# Altium PCB PCB2.PcbDoc (part 1 of 2) (continued)
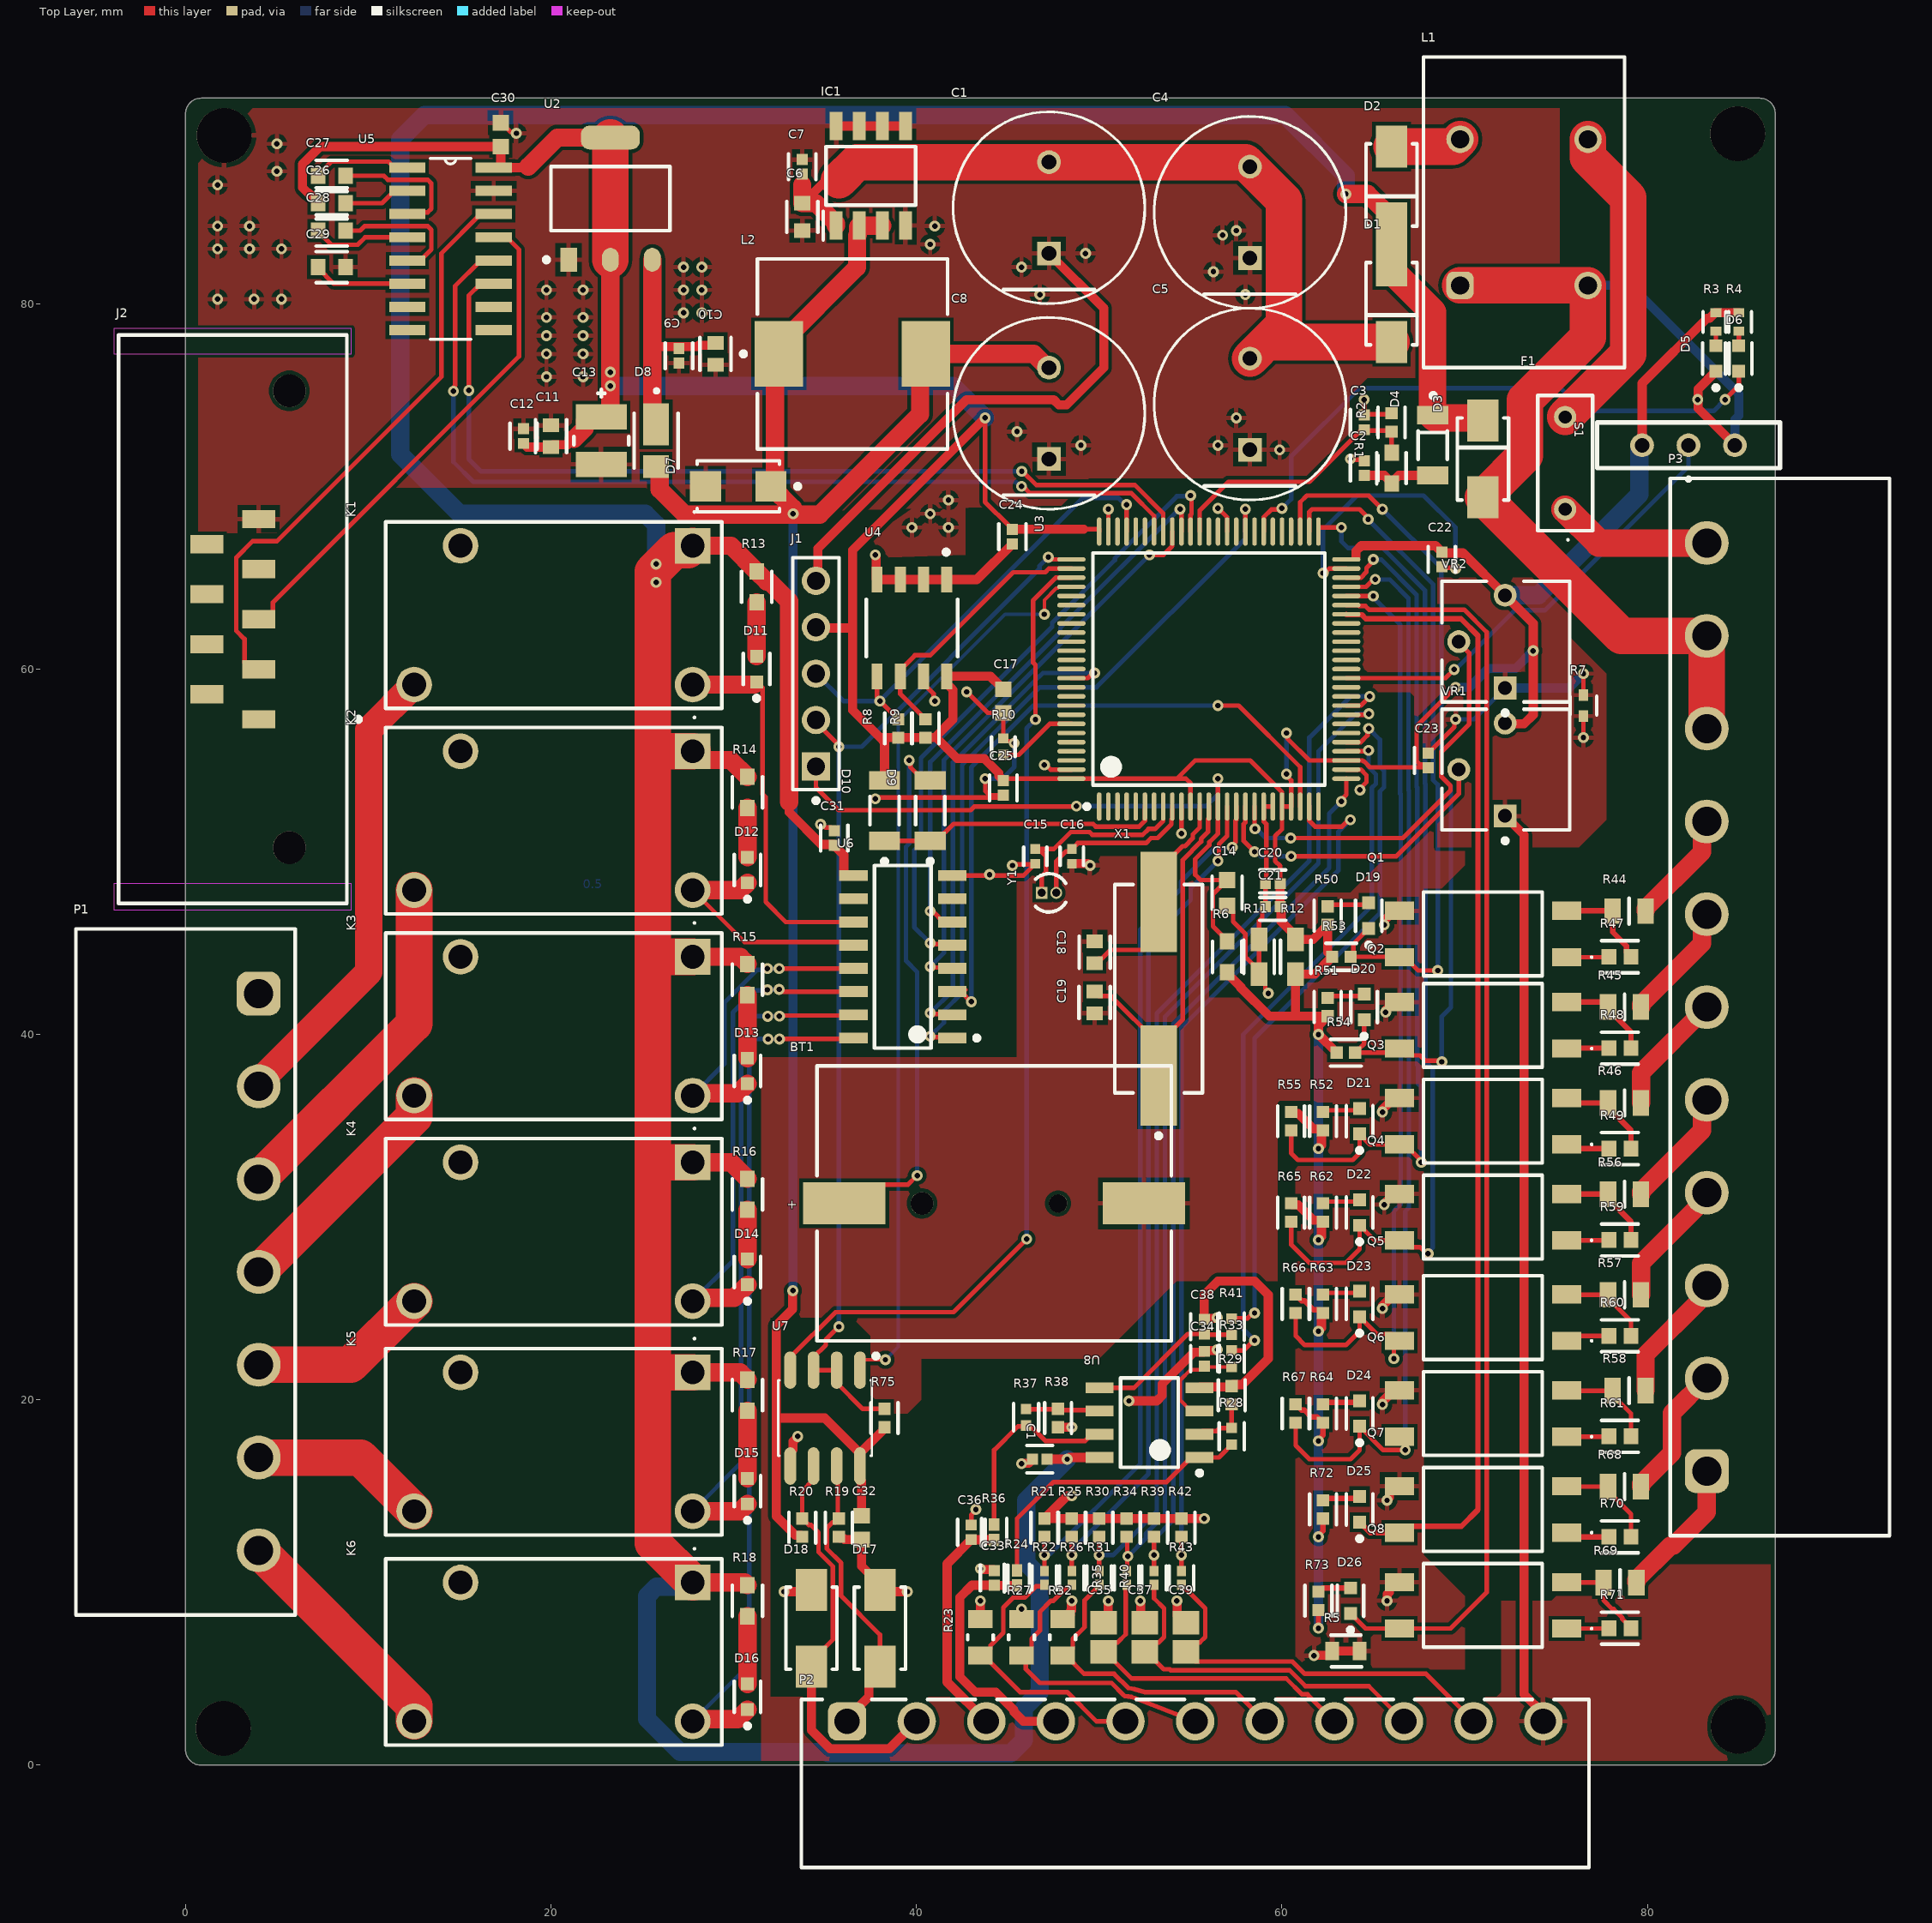
[diagram p0: Top Layer view]
## Components (designator, comment, footprint, x,y, rotation, side; value= is the part's Value field where it differs from the comment) (continued)
R64 "1k" FP-MCS0402-IPC_A 62.25,19.25 r270 top
R65 "4.7k" FP-TFCR0402-IPC_A 60.5,30.25 r270 top
R66 "4.7k" FP-TFCR0402-IPC_A 60.75,25.25 r270 top
R67 "4.7k" FP-TFCR0402-IPC_A 60.75,19.25 r270 top
R68 "4.7k 0805" FP-MCU0805-MFG 78.75,15.25 r180 top
R69 "4.7k 0805" FP-MCU0805-MFG 78.5,10 r180 top
R70 "510 0603" FP-RMCF0603-IPC_C 78.5,12.5 r180 top
R71 "510 0603" FP-RMCF0603-IPC_C 78.5,7.5 r180 top
R72 "1k" FP-MCS0402-IPC_A 62.25,14 r270 top
R73 "1k" FP-MCS0402-IPC_A 62,9 r270 top
R75 "4.7k" FP-TFCR0402-IPC_A 38.25,19 r270 top
S1 "09-03290.01" 09.03290.01 82.25,72.25 r0 top
U2 "AMS1117-3.3" FP-AMS1117-IPC_B 23.25,85.75 r90 top
U3 "STM32F103VCT6" STM-LQFP100_L 56,60 r90 top
U4 "M24C64-WMN6TP" FP-SO8N-SO-A-MFG 39.75,62.25 r270 top
U5 "SP3232EEN-L" SOIC127P600X175-16N 14.5,83 r0 top
U6 "ULN2003V12DR" FP-D0016A-MFG 39.25,44.25 r180 top
U7 "RS-485" SOIC127P600X175-8_M8_15_M 35,19 r270 top
U8 "LM358ADR2G" ONSC-SOIC-8-751-07_V 52.75,18.75 r180 top
VR1 "3362P-1-103LF" BOUR-3362P 72.25,54.5 r90 top
VR2 "3362P-1-103LF" BOUR-3362P 72.25,61.5 r90 top
X1 "ECS-80-18-5PX-TR" ECS-80-18-5PX-TR_V 53.25,42.5 r90 top
Y1 "AB26T-32.768KHZ" ABRA-AB26T 47.25,47.75 r0 top
С1 "0402 100nF 50V" FP-0402B104K500CT-IPC_C 46.75,16.75 r0 top

## Footprints (in the part's own frame and the unit in brackets; to place one, negate y for a bottom-side part, rotate by r counter-clockwise, add the part's x,y. Pads: shape width x height; smd on the part's side, far side on the other; paste and mask are expansions set on the pad)
09.03290.01 [mm]
  round 1.3 hole 0.8: 1(0,0) 2(-2.54,0) 3(2.54,0)
  silkscreen extent -5,-1.92 5,1.25, body extent -5,-1.25 5,1.25, height 7.8
691313510007 [mm] "5,08mm - PCB Headers - Horizontal - Closed ends - 07p"
  rrect50% 2.4x2.4 hole 1.6: 1(-15.24,4)
  round 2.4 hole 1.6: 2(-10.16,4) 3(-5.08,4) 4(0,4) 5(5.08,4) 6(10.16,4) 7(15.24,4)
  silkscreen extent -18.78,-6 18.78,6, body extent -18.78,-6 18.78,6, height 8.55
691313510011 [mm] "5,08mm - PCB Headers - Horizontal - Closed ends - 11p"
  rrect50% 2.4x2.4 hole 1.6: 1(-25.4,4)
  round 2.4 hole 1.6: 2(-20.32,4) 3(-15.24,4) 4(-10.16,4) 5(-5.08,4) 6(0,4) 7(5.08,4) 8(10.16,4) 9(15.24,4) 10(20.32,4) 11(25.4,4)
  silkscreen extent -28.94,-6 28.94,6, body extent -28.94,-6 28.94,6, height 8.55
691322310011 [mm] "Horizontal PCB Header, pitch 3.81mm, 11p"
  rrect50% 2.1x2.1 hole 1.4: 1(-19.05,3.4)
  round 2.1 hole 1.4: 2(-15.24,3.4) 3(-11.43,3.4) 4(-7.62,3.4) 5(-3.81,3.4) 6(0,3.4) 7(3.81,3.4) 8(7.62,3.4) 9(11.43,3.4) 10(15.24,3.4) 11(19.05,3.4)
  silkscreen extent -21.55,-4.6 21.55,4.6, body extent -21.55,-4.6 21.55,4.6, height 7.25
ABRA-AB26T [mm] "THD, 2-Leads, Dia 2.1mm, Body Length 6.2mm"
  rect 0.65x0.65 hole 0.45: 1(-0.4,0)
  round 0.65 hole 0.45: 2(0.4,0)
  silkscreen extent -0.74,-1.05 0.91,1.05, body extent -1.05,-1.05 1.05,1.06, height 6.2
APC817C1SL [mm]
  rect 1.6x1 smd: 1(-4.575,1.27) 2(-4.575,-1.27) 3(4.575,-1.27) 4(4.575,1.27)
  silkscreen extent -6,-2.29 3.25,2.29, body extent -5.07,-2.29 5.07,2.29, height 3.6
BOUR-3362P [mm] "THD, 3-Leads, Body 6.6x6.99mm, Pitch 2.54mm"
  rect 1.25x1.25 hole 0.75: 1(-2.54,0.035)
  round 1.25 hole 0.75: 2(0,2.575) 3(2.54,0.035)
  silkscreen extent -4.02,-3.49 3.3,3.5, body extent -3.3,-3.49 3.3,3.49, height 4.95
CAPC1608X90X35LL15T15 [mm] "Chip Capacitor, 2-Leads, Body 1.60x0.81mm, IPC High Density"
  rect 0.85x0.9 smd: 1(-0.65,0) 2(0.65,0)
  body extent -0.88,-0.48 0.87,0.48, height 0.9
CAPC2013X145X50NL20T25 [mm] "Chip Capacitor, 2-Leads, Body 2.00x1.25mm, IPC Medium Density"
  rect 1.3x1.45 smd: 1(-0.8,0) 2(0.8,0)
  body extent -1.1,-0.72 1.1,0.72, height 1.45
ECS-80-18-5PX-TR_V [mm] "SMD, 2-Leads, Body 11.4x4.8mm, Height 4.3mm"
  rect 5.5x2 smd: 1(-4.75,0) 2(4.75,0)
  silkscreen extent -8.17,-2.4 5.7,2.4, body extent -6.6,-2.4 6.6,2.4, height 4.3
FP-0402B104K500CT-IPC_C [mm]
  rect 0.606x0.606 smd paste+0 mask+0: 1(-0.4,0) 2(0.4,0)
  silkscreen extent -0.7,-0.75 0.7,0.75, body extent -0.8,-0.45 0.8,0.45, height 0.25
FP-425AC-MFG [mm]
  rect 2.3x1.4 smd paste+0 mask+0: 1(-0.9,0)
  rect 1.25x1.4 smd paste+0 mask+0: 2(1.425,0)
  silkscreen extent -2.82,-1.2 1.5,1.2, body extent -2.15,-1.07 2.15,1.07, height 0.25
FP-90120-0125-MFG [mm]
  rect 1.55x1.55 hole 1 paste-2539.97 mask+0: 1(-5.08,0)
  round 1.55 hole 1 paste-2539.97 mask+0: 2(-2.54,0) 3(0,0) 4(2.54,0) 5(5.08,0)
  silkscreen extent -7.07,-1.27 6.35,1.27, body extent -6.45,-1.37 6.45,1.37, height 0.25
FP-95400-MFG [mm]
  rect 1.7x1.68 smd paste+0 mask+0: 1(-1.79,0) 2(1.79,0)
  silkscreen extent -3.38,-1.4 2.25,1.4, body extent -2.74,-1.5 2.74,1.5, height 0.25
FP-09551156612741-MFG [mm]
  round 1.8 hole 1.8 unplated paste-2539.97 mask+0: 1(-12.5,3.1) 2(12.5,3.1)
  rect 1x1.8 smd paste+0 mask+0: 1(5.48,1.42) 2(2.74,1.42) 3(0,1.42) 4(-2.74,1.42) 5(-5.48,1.42) 6(4.11,-1.42) 7(1.37,-1.42) 8(-1.37,-1.42) 9(-4.11,-1.42)
  Keep-Out Layer region: 14.48,-6.5 15.9,-6.5 15.9,6.5 14.48,6.5
  Keep-Out Layer region: -15.897,-6.5 -14.52,-6.5 -14.52,6.5 -15.897,6.5
  silkscreen extent -15.56,-6.25 15.56,6.99, body extent -15.66,-6.35 15.66,6.35, height 0.25
FP-AC0603-MFG [mm]
  rect 0.9x0.8 smd paste+0 mask+0: 1(-0.85,0) 2(0.85,0)
  silkscreen extent -0.85,-0.82 0.85,0.82, body extent -1.4,-0.55 1.4,0.55, height 0.25
FP-AMS1117-IPC_B [mm]
  rect 1.304x0.912 smd paste+0 mask+0: 1(-3.345,2.29)
  rrect100% 1.304x0.912 smd paste+0 mask+0: 2(-3.345,0) 3(-3.345,-2.29)
  rrect70% 1.304x3.222 smd paste+0 mask+0: 4(3.345,0)
  silkscreen extent -3.47,-3.25 1.75,3.62, body extent -4.25,-3.5 4.25,3.5, height 0.25
FP-C0402-BB-MFG [mm]
  rect 0.52x0.52 smd paste+0 mask+0: 1(-0.4,0) 2(0.4,0)
  silkscreen extent -0.5,-0.64 0.5,0.64, body extent -0.8,-0.4 0.8,0.4, height 0.25
FP-C0603C106M8PACTU-MFG [mm]
  rect 0.75x0.9 smd paste+0 mask+0: 1(-0.6,0) 2(0.6,0)
  silkscreen extent -0.9,-0.85 0.9,0.85, body extent -1.2,-0.6 1.2,0.6, height 0.25
FP-C0603C-CF-MFG [mm]
  rect 0.75x0.9 smd paste+0 mask+0: 1(-0.6,0) 2(0.6,0)
  silkscreen extent -0.87,-0.85 0.88,0.85, body extent -1.2,-0.6 1.2,0.6, height 0.25
FP-CC0603-DB-MFG [mm]
  rect 0.8x0.9 smd paste+0 mask+0: 1(-0.75,0) 2(0.75,0)
  silkscreen extent -0.85,-0.85 0.85,0.85, body extent -1.43,-0.82 1.43,0.82, height 0.25
FP-CC0603-DC-MFG [mm]
  rect 0.9x0.9 smd paste+0 mask+0: 1(-0.7,0) 2(0.7,0)
  silkscreen extent -0.9,-0.82 0.9,0.82, body extent -1.35,-0.75 1.35,0.75, height 0.25
FP-CRGCQ0402-IPC_C [mm]
  rect 0.56x0.472 smd paste+0 mask+0: 1(-0.376,0) 2(0.376,0)
  silkscreen extent -0.66,-0.67 0.66,0.67, body extent -0.76,-0.38 0.76,0.38, height 0.25
FP-D0016A-MFG [mm]
  rect 1.55x0.6 smd paste-1000 mask+0: 1(-2.7,4.445) 2(-2.7,3.175) 3(-2.7,1.905) 4(-2.7,0.635) 5(-2.7,-0.635) 6(-2.7,-1.905) 7(-2.7,-3.175) 8(-2.7,-4.445) 9(2.7,-4.445) 10(2.7,-3.175) 11(2.7,-1.905) 12(2.7,-0.635) 13(2.7,0.635) 14(2.7,1.905) 15(2.7,3.175) 16(2.7,4.445)
  silkscreen extent -4.18,-5 1.55,5, body extent -3.57,-5.25 3.57,5.25, height 0.25
FP-DS104C2-MFG [mm]
  rect 2.65x3.6 smd paste+0 mask+0: 1(-4.025,0) 2(4.025,0)
  silkscreen extent -6.1,-5.2 5.2,5.2, body extent -5.45,-5.3 5.45,5.3, height 0.25
FP-HCJ0603-MFG [mm]
  rect 1.3x0.92 smd paste+0 mask+0: 1(-0.95,0) 2(0.95,0)
  silkscreen extent -0.9,-0.83 0.9,0.83, body extent -1.7,-0.63 1.7,0.63, height 0.25
FP-LSM0603453V-MFG [mm]
  rect 0.7x0.7 smd paste+0 mask+0: 1(-0.7,0) 2(0.7,0)
  silkscreen extent -1.72,-0.72 0.85,0.72, body extent -1.15,-0.55 1.15,0.55, height 0.25
FP-MCR01-IPC_A [mm]
  rect 0.666x0.672 smd paste+0 mask+0: 1(-0.503,0) 2(0.503,0)
  silkscreen extent -0.84,-0.74 0.84,0.74, body extent -1.04,-0.54 1.04,0.54, height 0.25
FP-MCS0402-IPC_A [mm]
  rect 0.665x0.672 smd paste+0 mask+0: 1(-0.504,0) 2(0.504,0)
  silkscreen extent -0.84,-0.74 0.84,0.74, body extent -1.04,-0.54 1.04,0.54, height 0.25
FP-MCS0402-MFG [mm]
  rect 0.55x0.55 smd paste+0 mask+0: 1(-0.45,0) 2(0.45,0)
  silkscreen extent -0.53,-0.65 0.53,0.65, body extent -0.82,-0.38 0.82,0.38, height 0.25
FP-MCU0805-MFG [mm]
  rect 0.9x1.4 smd paste+0 mask+0: 1(-0.9,0) 2(0.9,0)
  silkscreen extent 0,-0.7 0,0.7, body extent -1.45,-0.8 1.45,0.8, height 0.25
FP-PMR01-MFG [mm]
  rect 0.65x0.5 smd paste+0 mask+0: 1(-0.575,0) 2(0.575,0)
  silkscreen extent -0.5,-0.72 0.5,0.72, body extent -1,-0.38 1,0.38, height 0.25
FP-RAD-TH-D_10_0_5-L_30_2-MFG [mm]
  rect 1.3x1.3 hole 0.8 paste-2539.97 mask+0: 1(-2.5,0)
  round 1.3 hole 0.8 paste-2539.97 mask+0: 2(2.5,0)
  silkscreen extent -5.25,-5.25 5.25,5.25, body extent -5.35,-5.35 5.35,5.35, height 0.25
FP-RCS0603-e3-MFG [mm]
  rect 0.75x1 smd paste+0 mask+0: 1(-0.75,0) 2(0.75,0)
  silkscreen extent -0.82,-0.86 0.87,0.86, body extent -1.22,-0.6 1.22,0.6, height 0.25
FP-RMCF0402-IPC_B [mm]
  rect 0.681x0.572 smd paste+0 mask+0: 1(-0.416,0) 2(0.416,0)
  silkscreen extent -0.76,-0.69 0.76,0.69, body extent -0.91,-0.44 0.91,0.44, height 0.25
FP-RMCF0402-MFG [mm]
  rect 0.5x0.6 smd paste+0 mask+0: 1(-0.5,0) 2(0.5,0)
  silkscreen extent -0.55,-0.7 0.55,0.7, body extent -0.85,-0.4 0.85,0.4, height 0.25
FP-RMCF0603-IPC_C [mm]
  rect 0.806x0.858 smd paste+0 mask+0: 1(-0.601,0) 2(0.601,0)
  silkscreen extent -1,-0.87 1,0.87, body extent -1.1,-0.58 1.1,0.58, height 0.25
FP-RNCF0805-MFG [mm]
  rect 1x1.35 smd paste+0 mask+0: 1(-1,0) 2(1,0)
  silkscreen extent -0.13,-0.7 0.13,0.7, body extent -1.6,-0.8 1.6,0.8, height 0.25
FP-RT0603-MFG [mm]
  rect 0.9x0.8 smd paste+0 mask+0: 1(-0.85,0) 2(0.85,0)
  silkscreen extent -0.85,-0.81 0.86,0.8, body extent -1.4,-0.55 1.4,0.55, height 0.25
FP-S8411-45R-MFG [mm]
  rect 2.3x4.5 smd paste+0 mask+0: 1(0,8.2) 2(0,-8.2)
  round 1 hole 1 unplated paste-2539.97 mask+0: ""(0,3.5)
  round 1.25 hole 1.25 unplated paste-2539.97 mask+0: ""(0,-3.95)
  silkscreen extent -7.52,-9.7 7.52,9.7, body extent -7.63,-10.55 7.63,10.55, height 0.25
FP-SO8N-SO-A-MFG [mm]
  rect 1.4x0.6 smd paste+0 mask+0: 1(-2.65,1.905) 2(-2.65,0.635) 3(-2.65,-0.635) 4(-2.65,-1.905) 5(2.65,-1.905) 6(2.65,-0.635) 7(2.65,0.635) 8(2.65,1.905)
  silkscreen extent -4.27,-2.5 1.58,2.5, body extent -3.45,-2.6 3.45,2.6, height 0.25
FP-SOD80C-MFG [mm]
  rect 1x1.7 smd paste-1000 mask+0: 1(-1.65,0) 2(1.65,0)
  silkscreen extent -2.85,-0.8 0.77,0.8, body extent -2.27,-1.12 2.27,1.12, height 0.25
FP-TFCR0402-IPC_A [mm]
  rect 0.665x0.672 smd paste+0 mask+0: 1(-0.504,0) 2(0.504,0)
  silkscreen extent -0.84,-0.74 0.84,0.74, body extent -1.04,-0.54 1.04,0.54, height 0.25
FP-TFCR0402-IPC_B [mm]
  rect 0.565x0.572 smd paste+0 mask+0: 1(-0.454,0) 2(0.454,0)
  silkscreen extent -0.74,-0.69 0.74,0.69, body extent -0.89,-0.44 0.89,0.44, height 0.25
FP-TPSB-MFG [mm]
  rect 1.4x2.8 smd paste+0 mask+0: 1(-1.3,0) 2(1.3,0)
  silkscreen extent -0.23,-1.5 2.8,1.5, body extent -2.1,-1.6 2.1,1.6, height 0.25
HF32F024HS3 [mm]
  rect 1.95x1.95 hole 1.3: 1(0,0)
  round 1.95 hole 1.3: 2(0,7.6) 3(15.24,7.6) 4(12.7,0)
  silkscreen extent -1.6,-1.9 16.8,8.9, body extent -1.6,-1.3 16.8,8.9, height 15.9
ONSC-SOIC-8-751-07_V [mm] "SOIC, 8-Leads, Body 4.9x3.9mm, Pitch 1.27mm"
  rect 1.52x0.6 smd: 1(-2.74,1.905) 2(-2.74,0.635) 3(-2.74,-0.635) 4(-2.74,-1.905) 5(2.74,-1.905) 6(2.74,-0.635) 7(2.74,0.635) 8(2.74,1.905)
  silkscreen extent -2.87,-2.45 1.58,2.88, body extent -1.95,-2.45 1.95,2.45, height 1.75
RUEF1102 [mm]
  round 1.218 hole 0.711: 1(0,0) 2(5.05,0)
  silkscreen extent -1.72,-1.5 6.22,1.5, body extent -1.17,-1.25 6.23,1.25, height 14.3
SOIC127P600X175-8_M8_15_M [mm] "SOIC, 8-Leads, Body 4.90x3.90mm, Pitch 1.27mm, IPC Low Density"
  rrect100% 2.05x0.65 smd: 1(-2.625,1.905) 2(-2.625,0.635) 3(-2.625,-0.635) 4(-2.625,-1.905) 5(2.625,-1.905) 6(2.625,-0.635) 7(2.625,0.635) 8(2.625,1.905)
  silkscreen extent -3.52,-2.56 2.06,2.91, body extent -3,-2.45 3,2.45, height 1.75
SOIC127P600X175-8N [mm]
  rect 1.55x0.7 smd: 1(-2.725,1.905) 2(-2.725,0.635) 3(-2.725,-0.635) 4(-2.725,-1.905) 5(2.725,-1.905) 6(2.725,-0.635) 7(2.725,0.635) 8(2.725,1.905)
  silkscreen extent -3.5,-2.45 1.6,2.61, body extent -3,-2.45 3,2.45, height 1.75
SOIC127P600X175-16N [mil]
  rect 78x22 smd paste+0 mask+4.02: 1(-93,175) 2(-93,125) 3(-93,75) 4(-93,25) 5(-93,-25) 6(-93,-75) 7(-93,-125) 8(-93,-175) 9(93,-175) 10(93,-125) 11(93,-75) 12(93,-25) 13(93,25) 14(93,75) 15(93,125) 16(93,175)
  silkscreen extent -44,-195 44,195, body extent -203,-203 203,203, height 104
STM-LQFP100_L [mm] "Thin QFP, 100-Leads, Body 14x14mm, Pitch 0.5mm, IPC High Density"
  oval 1.55x0.25 smd: 1(-7.525,6) 2(-7.525,5.5) 3(-7.525,5) 4(-7.525,4.5) 5(-7.525,4) 6(-7.525,3.5) 7(-7.525,3) 8(-7.525,2.5) 9(-7.525,2) 10(-7.525,1.5) 11(-7.525,1) 12(-7.525,0.5) 13(-7.525,0) 14(-7.525,-0.5) 15(-7.525,-1) 16(-7.525,-1.5) 17(-7.525,-2) 18(-7.525,-2.5) 19(-7.525,-3) 20(-7.525,-3.5) 21(-7.525,-4) 22(-7.525,-4.5) 23(-7.525,-5) 24(-7.525,-5.5) 25(-7.525,-6) 51(7.525,-6) 52(7.525,-5.5) 53(7.525,-5) 54(7.525,-4.5) 55(7.525,-4) 56(7.525,-3.5) 57(7.525,-3) 58(7.525,-2.5) 59(7.525,-2) 60(7.525,-1.5) 61(7.525,-1) 62(7.525,-0.5) 63(7.525,0) 64(7.525,0.5) 65(7.525,1) 66(7.525,1.5) 67(7.525,2) 68(7.525,2.5) 69(7.525,3) 70(7.525,3.5) 71(7.525,4) 72(7.525,4.5) 73(7.525,5) 74(7.525,5.5) 75(7.525,6)
  oval 0.25x1.55 smd: 26(-6,-7.525) 27(-5.5,-7.525) 28(-5,-7.525) 29(-4.5,-7.525) 30(-4,-7.525) 31(-3.5,-7.525) 32(-3,-7.525) 33(-2.5,-7.525) 34(-2,-7.525) 35(-1.5,-7.525) 36(-1,-7.525) 37(-0.5,-7.525) 38(0,-7.525) 39(0.5,-7.525) 40(1,-7.525) 41(1.5,-7.525) 42(2,-7.525) 43(2.5,-7.525) 44(3,-7.525) 45(3.5,-7.525) 46(4,-7.525) 47(4.5,-7.525) 48(5,-7.525) 49(5.5,-7.525) 50(6,-7.525) 76(6,7.525) 77(5.5,7.525) 78(5,7.525) 79(4.5,7.525) 80(4,7.525) 81(3.5,7.525) 82(3,7.525) 83(2.5,7.525) 84(2,7.525) 85(1.5,7.525) 86(1,7.525) 87(0.5,7.525) 88(0,7.525) 89(-0.5,7.525) 90(-1,7.525) 91(-1.5,7.525) 92(-2,7.525) 93(-2.5,7.525) 94(-3,7.525) 95(-3.5,7.525) 96(-4,7.525) 97(-4.5,7.525) 98(-5,7.525) 99(-5.5,7.525) 100(-6,7.525)
  silkscreen extent -7.65,-6.35 6.35,6.8, body extent -7,-7 7,7, height 1.6
WE-TFC_UU9.8V [mm] "Common Mode Power Line Choke, THT, 4-leads, body 17x11.5mm"
  rrect50% 1.5x1.5 hole 1: 1(-4,3.5)
  round 1.5 hole 1: 2(4,3.5) 3(4,-3.5) 4(-4,-3.5)
  silkscreen extent -8.5,-5.5 8.5,5.5, body extent -7.85,-5.3 7.85,5.3, height 15.85
WE-TVSP_DO-214AC_Bidirectional [mm] "Power TVS Diode, 2-Leads. body 4.24x2.67mm"
  rect 2.3x1.7 smd: 1(-2.1,0) 2(2.1,0)
  silkscreen extent -2.25,-1.4 2.25,1.4, body extent -2.56,-1.33 2.56,1.34, height 2.24
WE-TVSP_DO-214AC_Unidirectional [mm] "Power TVS Diode, 2-Leads. body 4.24x2.67mm"
  rect 2.3x1.7 smd: 1(-2.1,0) 2(2.1,0)
  silkscreen extent -2.25,-1.4 2.25,1.4, body extent -2.56,-1.33 2.56,1.34, height 2.24

## Part data
BT1: library part CMP-15817-000007-1, "BATTERY HOLDER COIN 12MM SMD", Case/Package=SMD/SMT, Max Operating Temperature=105°C, Min Operating Temperature=-55°C, Package Quantity=500, Contact Plating=Bronze, Material=Polyphenylene, Mount="Surface Mount", Number of Batteries=1, Number of Cells=1, Packaging="Tape and Reel", REACH SVHC="No SVHC", Termination=SMD/SMT
C1 C4 C5 C8: library part CMP-05427-000707-1, "Aluminum Electrolytic Capacitors (Radial Lead Type) AEC-Q200 Qualified 1000uF ±20% 35V", Capacitance=1mF, Case/Package=Radial, Dielectric Material=Aluminium, Max Operating Temperature=105°C, Min Operating Temperature=-55°C, Package Quantity=100, Ripple Current=2.14A, Tolerance=20%, Voltage=35V, Construction=RADIAL, Contact Plating=Tin, Diameter=10mm, Dissipation Factor=0.12%, Height=30mm, Lead Diameter=0.6mm, Lead Pitch=5mm, Lead/Base Style=Straight, Length=30mm, Life (Hours)=4000Hour, Mount="Through Hole", Packaging=Bulk, Radiation Hardening=No, REACH SVHC="No SVHC", RoHS Compliant=Yes, Series=FK, Termination=Radial, Voltage Rating=35V, Voltage Rating (DC)=35V
C2 C3 C7 C9 C12 C20 C21 C22 C23 C24 C25 C31 C33 C34 C36 C38 С1: library part CMP-45632-000010-1, "CAP CER 0.1UF 50V X7R 0402", Capacitance=100nF, Case Code (Imperial)=0402, Case Code (Metric)=1005, Max Operating Temperature=125°C, Min Operating Temperature=-55°C, Tolerance=10%, Voltage Rating=50V, Case/Package=0402, Mount="Surface Mount", Packaging="Cut Tape", RoHS Compliant=Yes, Series=-
C6 C26 C27 C28 C29: library part CMP-03422-000761-2, "CAP CER 1UF 50V X7R 0603", Capacitance=1uF, Case Code (Imperial)=0603, Case Code (Metric)=1608, Dielectric=X7R, Max Operating Temperature=125°C, Min Operating Temperature=-55°C, Package Quantity=4000, Resistor Type=Ceramic, Tolerance=10%, Voltage Rating=50V, Case/Package=0603, Halogen Free="Halogen Free", Lead Free="Lead Free", Length=0.063inch, Mount="Surface Mount", Packaging="Tape and Reel", Termination=SMD/SMT, Thickness=0.035inch, Voltage Rating (DC)=50V, Weight=7.1E-05oz, Width=0.031inch
C10 C11: library part CMP-03020-034654-1, "CAP CER 10UF 10V X5R 0603", RoHS Compliant=Yes
C13: library part CMP-04424-000211-1, "CAP TANT 100UF 10% 6.3V 1411", Capacitance=100uF, Case Code (Imperial)=1210, Case Code (Metric)=3528, Dielectric Material=Tantalum, ESR (Equivalent Series Resistance)=400mR, Leakage Current=6.3uA, Max Operating Temperature=125°C, Min Operating Temperature=-55°C, Package Quantity=1, Tolerance=10%, Voltage=6.3V, Case/Package=1210, Construction=Flat, Depth=2.8mm, Dissipation Factor=10%, Features="General Purpose", Height=1.9mm, Height - Seated (Max)=0.083inch, Lead Free="Lead Free", Length=3.5mm, Mount="Surface Mount", Packaging="Tape and Reel", Polarity=Polar, Radiation Hardening=No, REACH SVHC="No SVHC", RoHS Compliant=Yes, Series=TPS, Termination=SMD/SMT, Voltage Rating=6.3V, Voltage Rating (DC)=6.3V, Weight=0.000564oz, Width=0.11inch
C14: library part CMP-00621-81932632-1, "CC0603KRX5R7BB106 Multilayer Ceramic Capacitor, 10 uF, 16 V, ± 10%, X5R, 0603 [1608 Metric]", Capacitance=10µF, Case/Package=0603, Dielectric=X5R, Max Operating Temperature=85°C, Min Operating Temperature=-55°C, Tolerance=10%, Voltage Rating=16V, Halogen Free="Halogen Free", Height=1mm, Lead Free="Lead Free", Material=Ceramic, NexarPartId=81932632, RoHS=Non-Compliant, Voltage Rating (DC)=16V
C15 C16: library part CMP-03020-023432-1, "C0402 22 pF C0G 5.00% 50 V", Capacitance="22 pF", Manufacturer=Kemet, Manufacturer Part Number=C0402C220J5GAC, Package=C0402-BB, Temperature="-55°C to +125°C", Temperature Characteristic=C0G, Temperature Coefficient=15%, Temperature Range High=+125°C, Temperature Range Low=-55°C, Tolerance=0.05, Voltage Rating="50 V", Automotive=No, Category=Cap, ComponentLink2Description=Datasheet, ComponentLink2URL=https://content.kemet.com/datasheets/KEM_C1002_X7R_SMD.pdf, Device Class L1="Passive Components", Device Class L2=Capacitors, Device Class L3="Ceramic Capacitors", Height=0.55mm, Ipc Land Pattern Name=CAPC10050X50, Lead Free=Yes, Material=Ceramic, Mouser Description="Cap Ceramic 22pF 50V C0G 5% Pad SMD 0402 125C Bulk", Octopart=https://octopart.com/c0402c220j5gac-kemet-3919113, RoHS=TRUE
C17 C30 C32: library part CMP-2006-04391-1, Manufacturer="AVX Interconnect / Elco", Part Number=06035C104KAZ2A
C18 C19: library part CMP-03020-000148-1, "C0603 22 pF X7R 30ppm/°C 5.00% 50 V", Capacitance="22 pF", Manufacturer=KEMET, Manufacturer Part Number=C0603C220J5RACTU, Package=C0603C-CF, Temperature="-55°C to +125°C", Temperature Characteristic=X7R, Temperature Coefficient=30ppm/°C, Temperature Range High=+125°C, Temperature Range Low=-55°C, Tolerance=0.05, Voltage Rating="50 V", Automotive=Yes, Automotive Grade="Grade 1", Category=Cap, ComponentLink2Description=Datasheet, ComponentLink2URL=https://api.kemet.com/component-edge/download/datasheet/C0603C100J5GACAUTO.pdf, Device Class L1="Passive Components", Device Class L2=Capacitors, Device Class L3="Ceramic Capacitors", Height=0.87mm, Lead Free=Yes, Material=Ceramic, Octopart=https://octopart.com/c0603c220j5ractu-kemet-47052364, RoHS=TRUE